# Altium PCB MB1801.PcbDoc (part 2 of 2)
Units mm, origin at the board's own origin, x right, y up, seen from the top; angles counter-clockwise.
Board outline 70.1 x 57.1 mm, 2 copper layers (Top Layer, Bottom Layer), stack 1.554 mm thick; 124 components, 115 nets, 557 pads, 485 vias.
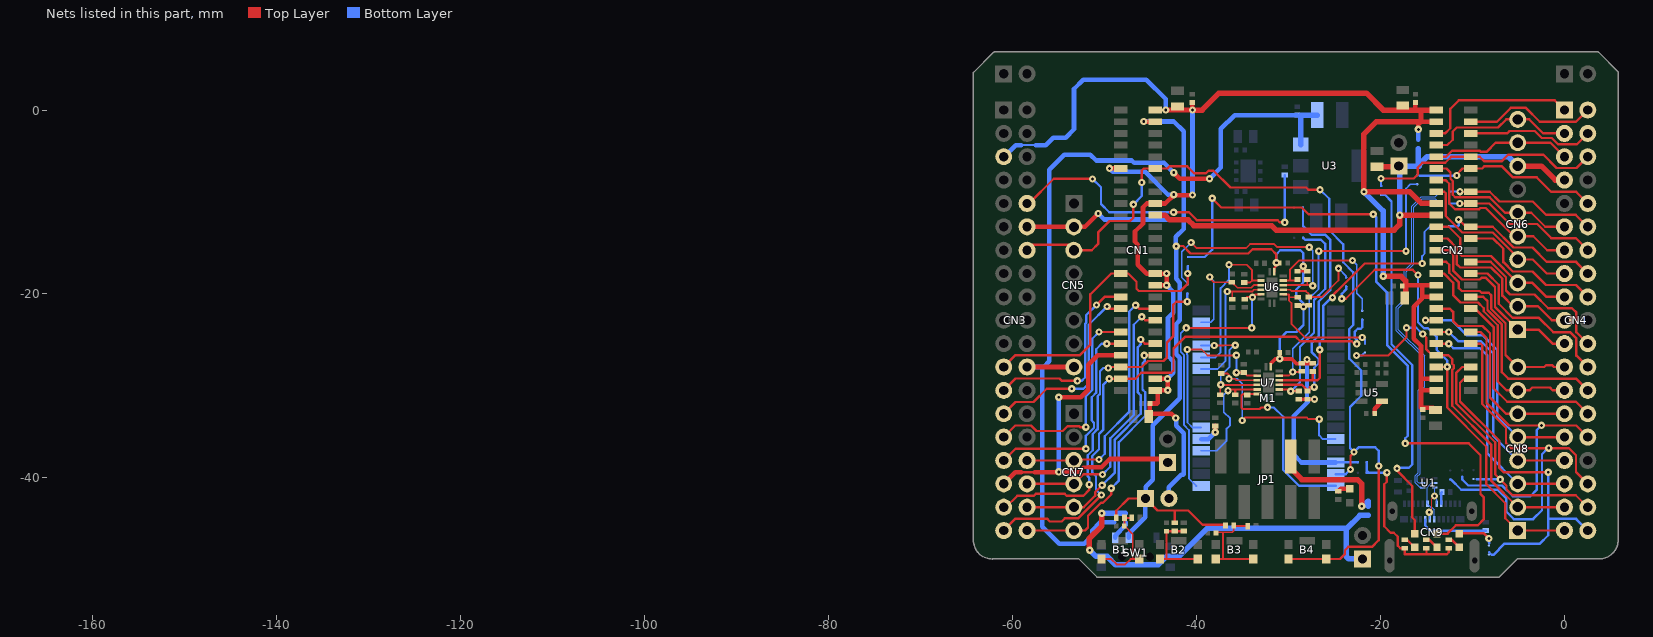
[diagram p2: the nets of this part, all layers, seen from the top]

## Via types
v1: diameter 0.8, hole 0.3, Top Layer to Bottom Layer, tented both sides, 485 vias

## Nets (pads, with @x,y where several pads share a name; then routed paths per layer and width w, separated by ;. In a path a pad name is that pad's centre, name@x,y a point inside that pad or via, vN(x,y) a via of type N, cw(c..) or ccw(c..) an arc to the next point about the centre after c; other vN are vias at no path point) (continued)
GPIO14: CN1.29 CN3.23 SB10.1 | length 31.1
  Top Layer w0.254: CN3.23@-60.96,-27.94 -59.67,-26.65 -52.68,-26.65 -51.537,-25.507 -51.537,-20.041 -49.276,-17.78 CN1.29@-48.225,-17.78 -47.422,-17.78 -46.533,-18.669 -46.533,-19.437 -46.285,-19.685 -41.732,-19.685 -40.97,-18.923 v1(-40.97,-17.78) v1@-40.97,-17.653
  Bottom Layer w0.254: v1(-40.97,-17.78) -40.97,-17.002 SB10.1@-40.931,-16.963
GPIO15/OSC32_IN: CN1.33 CN3.25 | length 21.1
  Top Layer w0.254: CN3.25@-60.96,-30.48 -59.665,-29.185 -54.89,-29.185 -54.625,-29.45 v1(-52.95,-29.45) ; v1(-50.88,-21.2) -50,-20.32 CN1.33@-48.225,-20.32
  Bottom Layer w0.254: v1(-52.95,-29.45) -52.49,-29.45 -52.104,-29.064 -52.104,-23.239 -52,-23.135 -52,-22.32 v1(-50.88,-21.2)
GPIO16/OSC32_OUT: CN1.35 CN3.27 | length 21.4
  Top Layer w0.254: CN3.27@-60.96,-33.02 -59.69,-31.75 -57.725,-31.75 -56.275,-30.3 v1(-53.575,-30.3) ; v1(-49.725,-21.361) -49.496,-21.59 CN1.35@-48.225,-21.59
  Bottom Layer w0.254: v1(-53.575,-30.3) -52.3,-30.3 -51.714,-29.714 -51.714,-23.35 v1(-49.725,-21.361)
GPIO17: CN1.36 CN3.32 CN7.3 | length 28.6
  Top Layer w0.254: CN3.32@-58.42,-38.1 CN7.3@-53.34,-38.1 -53.24,-38 v1(-50.6,-38) ; v1(-46.625,-21.225) -46.6,-21.225 -46.235,-21.59 CN1.36@-44.485,-21.59
  Bottom Layer w0.254: v1(-50.6,-38) -49.975,-37.375 -49.975,-35.475 -47.325,-32.825 -47.325,-21.925 v1(-46.625,-21.225)
GPIO18: CN1.38 CN3.34 CN7.4 | length 29.3
  Top Layer w0.254: CN3.34@-58.42,-40.64 CN7.4@-53.34,-40.64 -52.299,-39.599 -50.436,-39.599 -50.339,-39.501 -50.22,-39.383 v1@-50.183,-39.383 ; v1(-45.95,-22.475) -45.565,-22.86 CN1.38@-44.485,-22.86
  Bottom Layer w0.254: v1(-50.216,-39.624) -49.375,-38.783 -49.375,-35.7 -46.825,-33.15 -46.825,-23.35 v1(-45.95,-22.475)
GPIO19/OSC_IN: CN1.39 CN3.29 | length 23.3
  Top Layer w0.254: CN3.29@-60.96,-35.56 -59.7,-34.3 -57.981,-34.3 -57.382,-34.9 -54.534,-34.9 -54,-34.366 -52.759,-34.366 -52.65,-34.475 v1(-52.025,-34.475) ; v1(-50.605,-24.13) CN1.39@-48.225,-24.13
  Bottom Layer w0.254: v1(-52.025,-34.475) -52.025,-31.125 -51.333,-30.433 -51.333,-24.858 v1(-50.605,-24.13)
GPIO20/OSC_OUT: CN1.41 CN3.31 | length 23.9
  Top Layer w0.254: CN3.31@-60.96,-38.1 -59.685,-36.825 v1(-52.025,-36.825) ; v1(-49.75,-25.4) CN1.41@-48.225,-25.4
  Bottom Layer w0.254: v1(-52.025,-36.825) -52.025,-35.412 -51.148,-34.535 -51.148,-34.015 -51.4,-33.763 -51.4,-31.225 -50.902,-30.727 -50.902,-26.002 -50.3,-25.4 v1(-49.75,-25.4)
GPIO21: CN1.42 CN3.36 CN7.5 | length 29
  Top Layer w0.254: CN3.36@-58.42,-43.18 CN7.5@-53.34,-43.18 -52.273,-43.18 -51.029,-41.935 -51.029,-41.554 v1(-50.267,-40.792) ; v1(-46.075,-24.95) -45.625,-25.4 CN1.42@-44.485,-25.4
  Bottom Layer w0.254: v1(-50.267,-40.792) -48.875,-39.401 -48.875,-35.825 -46.075,-33.025 -46.075,-31.006 -46.375,-30.706 -46.375,-25.8 -46.075,-25.5 v1(-46.075,-24.95)
GPIO22: CN1.44 CN3.38 CN7.6 | length 29.7
  Top Layer w0.254: CN3.38@-58.42,-45.72 CN7.6@-53.34,-45.72 -52.121,-45.72 -51.791,-45.39 -51.791,-44.105 -50.383,-42.697 -50.165,-42.697 -49.276,-41.808 v1(-49.276,-41.123) ; v1(-45.675,-26.675) -45.68,-26.67 CN1.44@-44.485,-26.67
  Bottom Layer w0.254: v1(-49.276,-41.123) -48.438,-40.284 -48.438,-36.113 -45.575,-33.25 -45.575,-30.675 -45.875,-30.375 -45.875,-27.55 -45.625,-27.3 -45.625,-26.675 v1(-45.675,-26.675)
GPIO23: CN1.45 CN3.35 SB5.1 | length 40.6
  Top Layer w0.254: CN3.35@-60.96,-43.18 -60.73,-43.18 -59.5,-41.95 -57.706,-41.95 -57.488,-41.732 -54.337,-41.732 -54.119,-41.95 -52.325,-41.95 -51.675,-41.3 v1(-51.675,-40.725) ; v1(-49.6,-28.05) -49.575,-28.05 -49.465,-27.94 CN1.45@-48.225,-27.94 -45.949,-27.94 -45.288,-27.28 -43.586,-27.28 -43.205,-26.899 -43.205,-25.273 -42.545,-24.613 -42.545,-21.184 -42.215,-20.853 -41.275,-20.853 -40.996,-20.574 v1(-40.996,-20.828)
  Bottom Layer w0.254: v1(-51.675,-40.725) -51.675,-39.95 -51.825,-39.8 -51.825,-37.525 -51.283,-36.982 -51.283,-35.229 -50.75,-34.696 -50.75,-31.125 -50.495,-30.87 -50.495,-28.395 -50.15,-28.05 v1(-49.6,-28.05) ; v1(-40.996,-20.828) -40.996,-19.982 SB5.1@-40.979,-19.966
GPIO24: CN1.47 CN3.37 SB3.1 | length 60.1
  Top Layer w0.254: CN3.37@-60.96,-45.72 -59.665,-44.425 -56.261,-44.425 -55.956,-44.729 -54.661,-44.729 -54.331,-44.399 -52.883,-44.399 v1(-50.343,-41.859) ; v1@-49.525,-29.21 v1(-49.493,-29.21) CN1.47@-48.225,-29.21 -46.634,-29.21 -45.999,-28.575 -42.748,-28.575 -42.494,-28.321 -42.494,-25.933 -41.199,-24.638 -29.235,-24.638 -28.727,-25.146 -23.114,-25.146 -22.835,-25.425 v1(-22.581,-25.425)
  Bottom Layer w0.254: v1@-50.341,-41.859 v1(-50.343,-41.859) -50.343,-41.857 -50.925,-41.275 -50.925,-39.825 -51.35,-39.4 -51.35,-37.634 -50.595,-36.879 -50.595,-35.22 -50.125,-34.75 -50.125,-29.842 v1(-49.493,-29.21) ; v1(-22.581,-25.425) -22.581,-24.994 -22.784,-24.79 -22.784,-24.079 -22.479,-23.774 -22.149,-23.774 -21.98,-23.606 SB3.1@-21.98,-22.8
GPIO25: CN2.4 CN4.2 | length 14.5
  Top Layer w0.254: CN2.4@-10.195,-1.27 -7.341,-1.27 -5.842,0.229 -4.191,0.229 -2.687,-1.275 1.265,-1.275 CN4.2@2.54,0
GPIO26: CN2.5 CN4.1 | length 17.1
  Top Layer w0.254: CN2.5@-13.935,-2.54 -12.99,-2.54 -12.425,-1.975 -12.425,0.125 -11.5,1.05 -1.05,1.05 CN4.1@0,0
GPIO27: CN2.6 CN4.4 | length 13.9
  Top Layer w0.254: CN2.6@-10.195,-2.54 -6.223,-2.54 -5.958,-2.275 -3.237,-2.275 -2.462,-3.05 -1.375,-3.05 -0.7,-3.725 1.355,-3.725 CN4.4@2.54,-2.54
GPIO28: CN2.7 CN4.3 CN6.10 | length 16.2
  Top Layer w0.254: CN2.7@-13.935,-3.81 -12.735,-3.81 -12.15,-3.225 -12.15,-2.35 -11.7,-1.9 -7.209,-1.9 -6.325,-1.016 CN6.10@-5.08,-1.016 -3.835,-1.016 -2.311,-2.54 CN4.3@0,-2.54
GPIO29: CN2.9 CN4.5 CN6.9 | length 15.3
  Top Layer w0.254: CN2.9@-13.935,-5.08 -12.883,-5.08 -12.228,-4.425 -9.2,-4.425 -9.075,-4.55 -8.475,-4.55 -7.481,-3.556 CN6.9@-5.08,-3.556 -1.524,-3.556 CN4.5@0,-5.08
GPIO30: CN2.10 CN4.6 SB9.1 | length 26.3
  Top Layer w0.254: v1(-19.939,-7.442) -16.383,-7.442 -15.951,-7.01 -15.951,-6.248 -15.443,-5.74 -12.954,-5.74 -12.294,-5.08 CN2.10@-10.195,-5.08 -9.198,-5.08 -8.69,-5.588 -6.858,-5.588 -6.12,-4.85 -2.3,-4.85 -0.85,-6.3 1.32,-6.3 CN4.6@2.54,-5.08
  Bottom Layer w0.254: v1(-19.939,-7.442) -19.939,-8.255 SB9.1@-19.932,-8.262
GPIO31: CN2.11 CN4.11 CN6.6 | length 17.8
  Top Layer w0.254: CN2.11@-13.935,-6.35 -12.839,-6.35 -12.382,-6.807 -12.382,-7.481 -12.142,-7.721 -12.142,-9.219 -11.861,-9.5 -8.128,-9.5 -6.452,-11.176 CN6.6@-5.08,-11.176 -3.607,-11.176 -2.083,-12.7 CN4.11@0,-12.7
GPIO32: CN2.12 CN4.10 SB12.1 | length 20.5
  Top Layer w0.254: v1(-11.709,-7.112) -11.709,-6.985 -11.074,-6.35 CN2.12@-10.195,-6.35 -8.944,-6.35 -8.69,-6.096 -6.833,-6.096 -5.604,-7.325 -3,-7.325 -1.425,-8.9 1.28,-8.9 CN4.10@2.54,-10.16
  Bottom Layer w0.254: -15.748,-7.163 -11.76,-7.163 v1(-11.709,-7.112)
GPIO33: CN2.13 CN4.13 CN6.5 | length 18.5
  Top Layer w0.254: CN2.13@-13.935,-7.62 -12.929,-7.62 -12.522,-8.026 -12.522,-10.16 -11.882,-10.8 -9.3,-10.8 -9.15,-10.65 -8.55,-10.65 -5.484,-13.716 CN6.5@-5.08,-13.716 -3.384,-13.716 -1.86,-15.24 CN4.13@0,-15.24
GPIO34: CN2.15 CN4.15 CN6.4 | length 19.2
  Top Layer w0.254: CN2.15@-13.935,-8.89 -13.06,-8.89 -12.903,-9.047 -12.903,-11.522 -11.1,-13.325 -7.8,-13.325 -5.08,-16.045 CN6.4@-5.08,-16.256 -3.444,-16.256 -1.92,-17.78 CN4.15@0,-17.78
GPIO35: CN2.16 CN4.12 SB16.1 | length 16.6
  Top Layer w0.2: v1@-11.354,-8.873 -11.354,-8.89 CN2.16@-10.195,-8.89
  Top Layer w0.254: CN2.16@-10.195,-8.89 -8.128,-8.89 -7.068,-9.95 -3.436,-9.95 -1.986,-11.4 1.24,-11.4 CN4.12@2.54,-12.7
  Bottom Layer w0.2: SB16.1@-12.51,-8.87 v1(-11.354,-8.87)
GPIO36: CN2.18 CN4.14 SB14.1 | length 17.1
  Top Layer w0.254: v1(-11.379,-10.16) CN2.18@-10.195,-10.16 -8.18,-10.16 -5.94,-12.4 -2.967,-12.4 -1.442,-13.925 1.225,-13.925 CN4.14@2.54,-15.24
  Bottom Layer w0.254: SB14.1@-12.453,-10.16 v1(-11.379,-10.16)
GPIO37: CN2.21 CN4.17 CN6.3 | length 18.1
  Top Layer w0.254: CN2.21@-13.935,-12.7 -12.575,-12.7 -11.325,-13.95 -11.325,-15.7 -11.15,-15.875 -8,-15.875 -5.08,-18.795 -3.479,-18.796 -1.955,-20.32 CN4.17@0,-20.32
GPIO38: CN2.22 CN4.16 SB13.1 | length 18.2
  Top Layer w0.254: v1(-11.506,-11.913) -10.719,-12.7 CN2.22@-10.195,-12.7 -7.8,-12.7 -5.55,-14.95 -3.475,-14.95 -1.915,-16.51 1.27,-16.51 CN4.16@2.54,-17.78
  Bottom Layer w0.254: SB13.1@-12.555,-12.624 -11.608,-12.624 -11.506,-12.522 v1(-11.506,-11.913)
GPIO39: CN2.23 CN4.19 CN6.2 | length 19.7
  Top Layer w0.254: CN2.23@-13.935,-13.97 -12.73,-13.97 -11.725,-14.975 -11.725,-16.725 -11.325,-17.125 -7.975,-17.125 -6.75,-18.35 -6.75,-20.175 -5.589,-21.336 CN6.2@-5.08,-21.336 -2.889,-21.336 -1.365,-22.86 CN4.19@0,-22.86
GPIO40: CN2.24 CN4.18 | length 16.2
  Top Layer w0.254: CN2.24@-10.195,-13.97 -7.755,-13.97 -6.64,-15.085 -6.64,-16.535 -5.625,-17.55 -3.475,-17.55 -2,-19.025 1.245,-19.025 CN4.18@2.54,-20.32
GPIO41: CN2.25 CN4.21 CN6.1 | length 20.6
  Top Layer w0.254: CN2.25@-13.935,-15.24 -12.56,-15.24 -12.1,-15.7 -12.1,-17.45 -11.125,-18.425 -9.206,-18.425 -9.204,-18.423 -9.198,-18.423 -9.025,-18.25 -8.53,-18.25 -7.55,-19.23 -7.55,-21.406 CN6.1@-5.08,-23.876 -2.824,-23.876 -1.3,-25.4 CN4.21@0,-25.4
GPIO42: CN2.27 CN4.23 CN8.8 | length 22.6
  Top Layer w0.254: CN2.27@-13.935,-16.51 -12.84,-16.51 -12.525,-16.825 -12.525,-17.7 -11.475,-18.75 -11.475,-19.375 -11.175,-19.675 -9.206,-19.675 -9.018,-19.863 -8.237,-19.863 -7.975,-20.125 -7.975,-21.6 -6.4,-23.175 -6.4,-26.62 CN8.8@-5.08,-27.94 -2.184,-27.94 -1.981,-27.737 -1.346,-27.737 -1.143,-27.94 CN4.23@0,-27.94
GPIO43: CN2.28 CN4.22 | length 18.5
  Top Layer w0.254: CN2.28@-10.195,-16.51 -8.015,-16.51 -6.345,-18.18 -6.345,-19.63 -5.925,-20.05 -3.25,-20.05 -1.75,-21.55 0.825,-21.55 1.3,-22.025 1.3,-24.16 CN4.22@2.54,-25.4
GPIO44: CN2.29 CN4.25 CN8.7 | length 24
  Top Layer w0.254: CN2.29@-13.935,-17.78 -13.095,-17.78 -12.1,-18.775 -12.1,-20.117 -11.292,-20.925 -9.394,-20.925 -8.775,-21.544 -8.775,-21.88 -7.25,-23.405 -7.25,-29.5 -6.27,-30.48 CN8.7@-5.08,-30.48 -3.81,-30.48 -3.505,-30.175 -1.575,-30.175 -1.27,-30.48 CN4.25@0,-30.48
GPIO45: CN2.30 CN4.24 | length 19.2
  Top Layer w0.254: CN2.30@-10.195,-17.78 -8.37,-17.78 -7.15,-19 -7.15,-21.064 -5.614,-22.6 -2.775,-22.6 -1.225,-24.15 0.6,-24.15 1.3,-24.85 1.3,-26.7 CN4.24@2.54,-27.94
GPIO46: CN2.34 CN4.26 | length 20.5
  Top Layer w0.254: CN2.34@-10.195,-20.32 -8.83,-20.32 -8.37,-20.78 -8.37,-21.74 -6.8,-23.31 -6.8,-28.5 -6.1,-29.2 1.26,-29.2 CN4.26@2.54,-30.48
GPIO47: CN2.35 CN4.27 CN8.6 | length 23.3
  Top Layer w0.254: CN2.35@-13.935,-21.59 -12.46,-21.59 -12.1,-21.95 -12.1,-22.95 -11.575,-23.475 -8.9,-23.475 -8.1,-24.275 -8.1,-31.265 -6.345,-33.02 CN8.6@-5.08,-33.02 CN4.27@0,-33.02
GPIO48: CN2.36 CN4.28 | length 21.4
  Top Layer w0.254: CN2.36@-10.195,-21.59 -9.71,-21.59 -7.7,-23.6 -7.7,-30.25 -6.225,-31.725 1.245,-31.725 CN4.28@2.54,-33.02
GPIO49: CN2.37 CN4.29 CN8.5 | length 25.8
  Top Layer w0.254: v1(-15.1,-22.85) -15.09,-22.86 CN2.37@-13.935,-22.86 ; CN8.5@-5.08,-35.56 CN4.29@0,-35.56
  Bottom Layer w0.254: v1(-15.1,-22.85) -12.275,-22.85 -10.65,-24.475 -8.9,-24.475 -7.3,-26.075 -7.3,-33.34 CN8.5@-5.08,-35.56
GPIO50: CN2.39 CN4.31 CN8.4 | length 25
  Top Layer w0.254: CN2.39@-13.935,-24.13 v1(-12.57,-24.13) v1@-12.53,-24.13 ; CN8.4@-5.08,-38.1 CN4.31@0,-38.1
  Bottom Layer w0.254: v1(-12.57,-24.13) -11.575,-25.125 -9.1,-25.125 -7.75,-26.475 -7.75,-35.43 CN8.4@-5.08,-38.1
GPIO51: CN2.40 CN4.30 SB4.1 | length 38.3
  Top Layer w0.254: CN2.40@-10.195,-24.13 -9.125,-24.13 -8.475,-24.78 -8.475,-31.85 -6.025,-34.3 1.28,-34.3 CN4.30@2.54,-35.56
  Bottom Layer w0.254: -11.123,-39.853 SB4.1@-11.123,-40.147 -10.453,-40.818 -6.782,-40.818 -5.613,-41.986 -3.708,-41.986 -3.023,-41.3 -3.023,-34.823 v1(-2.489,-34.29)
GPIO52: CN2.41 CN4.33 CN8.3 | length 26.9
  Top Layer w0.254: CN2.41@-14.275,-25.4 CN2.41@-13.935,-25.4 v1(-12.575,-25.4) v1@-12.5,-25.4 ; CN8.3@-5.08,-40.64 CN4.33@0,-40.64
  Bottom Layer w0.254: v1(-12.575,-25.4) -12.075,-25.9 -9.175,-25.9 -8.375,-26.7 -8.375,-37.345 CN8.3@-5.08,-40.64
GPIO53: CN2.42 CN4.34 SB6.1 | length 44.9
  Top Layer w0.254: CN2.42@-10.195,-25.4 -9.105,-25.4 -8.925,-25.58 -8.925,-31.969 -6.35,-34.544 -6.35,-36.195 -5.77,-36.775 0.5,-36.775 1.25,-37.525 1.25,-39.35 CN4.34@2.54,-40.64
  Bottom Layer w0.254: SB6.1@-12.416,-40.168 -12.333,-40.168 -11.227,-41.275 -7.264,-41.275 -6.312,-42.228 -6.312,-43.675 -5.512,-44.475 -3.404,-44.475 -2.438,-43.51 -2.438,-37.414 -1.778,-36.754 v1(-1.702,-36.754)
GPIO54: CN2.43 CN4.35 CN8.2 SB8.1 | length 39.6
  Top Layer w0.254: v1(-22.606,-26.695) -19.152,-26.695 -17.17,-24.714 v1(-17.17,-23.665) ; v1(-15.418,-24.359) -15.011,-24.765 -15.011,-26.035 -14.376,-26.67 CN2.43@-13.935,-26.67 -12.598,-26.67 -12.2,-27.068 -12.2,-27.579 -12.038,-27.741 -12.038,-28.088 -12.2,-28.251 -12.2,-32.15 -7.975,-36.375 -7.975,-40.285 CN8.2@-5.08,-43.18 CN4.35@0,-43.18
  Bottom Layer w0.254: v1(-22.606,-26.695) -22.047,-26.695 -21.844,-26.492 ; v1(-17.17,-23.665) -16.112,-23.665 v1(-15.418,-24.359)
GPIO55: CN2.45 CN4.37 CN8.1 SB7.1 | length 49.8
  Top Layer w0.254: v1(-24.206,-20.523) -23.774,-20.523 -20.625,-17.374 -16.51,-17.374 -15.951,-17.932 v1(-15.926,-17.932) ; CN2.45@-13.935,-27.94 v1@-13.06,-27.94 ; v1(-12.751,-27.915) -12.751,-32.349 -8.5,-36.6 -8.5,-40.674 -6.425,-42.749 -6.425,-44.375 CN8.1@-5.08,-45.72 CN4.37@0,-45.72
  Bottom Layer w0.254: v1(-24.206,-20.523) -24.206,-19.99 -23.733,-19.516 SB7.1@-23.733,-19.179 ; v1(-15.926,-17.932) -15.926,-23.063 -15.265,-23.724 -14.834,-23.724 -13.892,-24.665 -13.892,-26.087 -12.751,-27.229 v1(-12.751,-27.915)
GPIO56: CN2.46 CN4.36 SB2.1 | length 29
  Top Layer w0.254: CN2.46@-10.195,-27.94 -11.115,-27.94 -11.775,-28.6 -11.775,-31.875 -7.525,-36.125 -7.525,-39.617 v1(-6.985,-40.157) -6.3,-40.842 -6.3,-41.225 -5.65,-41.875 1.235,-41.875 CN4.36@2.54,-43.18
  Bottom Layer w0.254: -9.557,-40.157 v1(-6.985,-40.157)
GPIO57: CN2.48 CN4.38 SB11.1 | length 37
  Top Layer w0.254: CN2.48@-10.195,-29.21 -10.91,-29.21 -11.35,-29.65 -11.35,-31.675 -7.088,-35.937 -7.088,-38.912 -6.624,-39.375 v1(-1.75,-39.375)
  Bottom Layer w0.254: -8.186,-48.09 -7.913,-48.363 -7.723,-48.363 -6.502,-47.142 -2.667,-47.142 -1.75,-46.225 -1.75,-44.45 ; v1(-1.75,-39.375) -1.75,-44.45 ; CN4.38@2.54,-45.72 1.27,-44.45 -1.75,-44.45
JTCLK/SWCLK: R29.1 SB15.2 U7.12 | length 27.4
  Top Layer w0.254: U7.12@-30.99,-29.88 -28.54,-29.88 R29.1@-27.991,-30.429 ; R29.1@-27.71,-30.542 -27.71,-30.124 -27.432,-30.124 -27.203,-29.896 v1(-27.203,-30.124)
  Bottom Layer w0.254: SB15.2@-28.431,-10.608 -28.431,-12.616 -27.47,-13.576 -25.971,-13.576 -25.476,-14.072 -25.476,-19.583 -26.721,-20.828 -26.721,-24.536 -27.457,-25.273 -27.457,-26.365 -26.721,-27.102 -26.721,-27.534 -27.203,-28.016 v1(-27.203,-30.124)
JTDI: R28.1 SB13.2 U7.13 | length 31.8
  Top Layer w0.254: U7.13@-30.99,-29.38 -27.374,-29.38 ; R28.1@-27.374,-28.426 -27.374,-29.38 ; v1@-26.594,-26.035 v1(-26.594,-26.06) -26.594,-29.134 -26.84,-29.38 -27.374,-29.38 ; v1(-25.209,-20.396) -25.209,-20.18 -24.105,-19.075 -21.717,-16.688 v1(-15.469,-16.688)
  Bottom Layer w0.2: v1(-15.469,-16.688) -15.469,-15.875 -15.215,-15.621 -15.215,-13.233 -14.605,-12.624 SB13.2@-13.53,-12.624
  Bottom Layer w0.254: v1(-26.594,-26.06) -26.594,-25.248 -26.238,-24.892 -26.238,-21.311 -25.324,-20.396 v1(-25.209,-20.396)
JTDO/SWO: R27.1 SB12.2 U7.14 | length 34.3
  Top Layer w0.2: U7.14@-30.99,-28.88 -29.943,-28.88 v1(-29.539,-28.476) R27.1@-28.855,-28.476 ; v1(-26.721,-15.342) v1(-17.221,-15.342)
  Bottom Layer w0.2: v1(-29.539,-28.476) -29.539,-25.946 -27.737,-24.143 -27.737,-20.472 -26.721,-19.456 v1(-26.721,-15.342) ; v1(-17.221,-15.342) -17.221,-8.533 -16.757,-8.069 SB12.2@-16.002,-8.069
JTMS/SWDIO: R30.1 SB17.2 U7.11 | length 22.4
  Top Layer w0.254: U7.11@-30.99,-30.38 -29.906,-30.38 -29.744,-30.542 R30.1@-28.889,-30.542
  Bottom Layer w0.254: v1(-29.743,-30.582) -28.753,-29.591 -28.753,-25.735 -27.232,-24.215 -27.232,-20.653 -26.01,-19.431 -26.01,-14.554 -26.467,-14.097 -28.215,-14.097 SB17.2@-28.411,-13.901
LD1: LD1.2 SB9.2 | length 40.9
  Top Layer w0.254: v1(-18.212,-38.964) -18.212,-39.192 -16.535,-40.869 -16.535,-44.298 -16.266,-44.567 LD1.2@-16.266,-46.05
  Bottom Layer w0.254: SB9.2@-19.932,-9.237 -19.49,-9.237 -18.796,-9.931 -18.796,-25.476 -16.535,-27.737 -16.535,-38.532 -16.891,-38.887 -18.288,-38.887 v1(-18.212,-38.964)
LD2: LD2.2 SB10.2 | length 74.9
  Top Layer w0.254: v1(-38.303,-9.601) -37.313,-10.592 -28.55,-10.592 -27.813,-11.328 v1(-20.777,-11.328) ; v1@-20.752,-11.328 v1@-20.726,-11.354 ; v1(-17.297,-36.246) -10.414,-36.246 -9.119,-37.541 -9.119,-41.758 -8.788,-42.088 -8.788,-44.526 -9.423,-45.161 -11.811,-45.161 -12.7,-46.05 LD2.2@-13.852,-46.05
  Bottom Layer w0.254: SB10.2@-40.931,-15.988 -39.102,-15.988 -38.303,-15.189 v1(-38.303,-9.601) ; v1(-20.777,-11.328) -20.447,-11.659 -20.447,-18.694 -19.253,-19.888 -19.253,-25.591 -17.018,-27.826 -17.018,-35.408 -17.297,-35.687 v1(-17.297,-36.246)
LD3: LD3.2 SB11.2 | length 4
  Top Layer w0.254: LD3.2@-11.424,-46.05 -11.373,-45.999 -8.795,-45.999 v1(-8.211,-46.584)
  Bottom Layer w0.254: v1(-8.211,-46.584) -8.211,-46.946 -8.186,-46.972 -8.186,-47.115
NetB1_2: B1.2 B1.4 C12.2 R2.1 R4.1 | length 10.3
  Top Layer w0.2: B1.4@-50.24,-48.822 -49.273,-48.822 -48.692,-49.403 -47.752,-49.403 -47.171,-48.822 -46.965,-48.822 ; R4.1@-46.99,-44.349 -47.821,-44.349 R2.1@-47.828,-44.343 -47.828,-45.221 -46.939,-46.11 -46.939,-48.797 -46.965,-48.822 ; B1.2@-46.14,-48.822 -46.965,-48.822
NetB2_2: B2.2 B2.4 C13.2 R3.1 R5.1 | length 9
  Top Layer w0.2: B2.4@-44.08,-48.822 -43.259,-48.822 B2.2@-39.98,-48.822
  Top Layer w0.254: C13.2@-43.317,-45.831 C13.2@-43.272,-45.786 R5.1@-41.408,-45.786 ; -43.259,-48.822 C13.2@-43.259,-45.831
NetB3_2: B3.2 B3.4 C14.2 R9.1 R10.1 | length 11.2
  Top Layer w0.2: B3.4@-37.921,-48.822 -37.16,-48.822 ; C14.2@-37.889,-45.984 -37.807,-45.902 -37.135,-45.902 ; R10.1@-34.439,-45.232 -35.889,-45.232 R9.1@-35.948,-45.173 -35.948,-45.753 -36.098,-45.902 -37.135,-45.902 ; B3.2@-33.821,-48.822 -37.16,-48.822 ; -37.16,-48.822 -37.135,-48.797 -37.135,-45.902
NetC27_2: C27.2 U5.4 | length 1.6
  Top Layer w0.5: C27.2@-20.632,-32.995 -20.632,-32.472 U5.4@-19.848,-31.688
NetCN3_10: CN3.10 R1.1 | length 37.8
  Top Layer w0.254: CN3.10@-58.42,-10.16 -58.211,-10.16 -55.519,-7.468 -51.283,-7.468 v1(-51.308,-7.493) ; v1@-42.875,-11.125 v1(-42.494,-11.125) ; v1@-42.52,-11.1 v1(-42.494,-11.125) ; v1(-30.397,-12.217) -30.937,-12.217 -31.166,-11.989 -39.964,-11.989 -40.828,-11.125 v1(-42.494,-11.125)
  Bottom Layer w0.254: v1(-51.308,-7.493) -50.394,-8.407 -50.394,-10.228 -49.496,-11.125 v1(-42.494,-11.125) ; v1(-30.397,-12.217) R1.1@-30.397,-7.073
NetCN9_A5: CN9.A5 R11.2 | length 1.3
  Bottom Layer w0.254: CN9.A5@-13.392,-42.818 -13.392,-41.607 R11.2@-13.315,-41.53
NetCN9_B5: CN9.B5 R12.2 | length 7.5
  Bottom Layer w0.254: CN9.B5@-15.142,-44.518 -15.142,-45.158 -14.55,-45.75 R12.2@-8.525,-45.75
NetJP1_8: JP1.8 SB21.2 | length 13.7
  Top Layer w0.6: JP1.8@-29.748,-37.671 -29.748,-38.984 -28.55,-40.183 -22.479,-40.183 -22.048,-40.614 v1(-22.048,-43.078)
  Bottom Layer w0.6: v1(-22.048,-43.078) -21.9,-43.078 -21.339,-42.517 SB21.2@-21.339,-43.085
NetLD1_1: LD1.1 R6.2 | length 1.4
  Top Layer w0.254: R6.2@-17.374,-46.735 -17.081,-46.735 LD1.1@-16.266,-47.55
NetLD2_1: LD2.1 R7.2 | length 1.5
  Top Layer w0.254: R7.2@-15.006,-46.734 -14.668,-46.734 LD2.1@-13.852,-47.55
NetLD3_1: LD3.1 R8.2 | length 1.5
  Top Layer w0.254: R8.2@-12.577,-46.735 -12.239,-46.735 LD3.1@-11.424,-47.55
NetLD4_1: LD4.1 R13.1 | length 1.4
  Top Layer w0.5: R13.1@-24.6,-41.452 -24.329,-41.181 LD4.1@-23.355,-41.181
NetM1_5: M1.5 R14.2 | length 2.5
  Top Layer w0.5: v1@-37.978,-35.022 R14.2@-37.978,-34.357
  Bottom Layer w0.5: M1.5@-39.498,-35.779 -38.726,-35.779 v1(-37.973,-35.027)
NetR6_1: R6.1 R7.1 R8.1 SB18.1 SB19.1 | length 20.1
  Top Layer w0.254: v1(-19.304,-39.421) -19.304,-40.411 -19.583,-40.691 -19.583,-45.263 -18.898,-45.949 -18.554,-45.949 -18.11,-46.392 -18.11,-47.371 -17.847,-47.635 R6.1@-17.374,-47.635 -17.374,-48.26 -17.323,-48.311 -14.935,-48.311 ; R7.1@-15.006,-47.634 -15.006,-48.24 -14.935,-48.311 ; R8.1@-12.577,-47.635 -12.577,-48.086 -12.802,-48.311 -14.935,-48.311
  Bottom Layer w0.254: SB18.1@-21.48,-38.278 SB19.1@-21.48,-39.446 ; -21.353,-39.319 SB19.1@-21.48,-39.446 ; v1@-19.304,-39.557 v1(-19.304,-39.421) -19.329,-39.446 SB19.1@-21.48,-39.446
NetSB22_2: SB22.2 SW1.3 | length 2.2
  Bottom Layer w0.5: SW1.3@-48.85,-46.509 -48.85,-46.284 -47.724,-45.158 SB22.2@-47.724,-44.815
NRST: B4.2 B4.4 CN1.12 CN3.14 CN5.3 M1.31 | length 99.4
  Top Layer w0.254: CN3.14@-58.42,-15.24 -57.81,-14.63 -53.95,-14.63 CN5.3@-53.34,-15.24 -51.384,-15.24 -50.698,-14.554 -50.698,-13.31 -49.464,-12.075 -47.226,-12.075 -46.863,-11.712 v1(-46.863,-10.262) ; v1(-45.95,-7.874) -45.95,-6.58 -45.72,-6.35 CN1.12@-44.485,-6.35 -43.155,-6.35 -42.926,-6.121 -41.021,-6.121 -40.259,-6.883 -38.964,-6.883 -38.684,-6.604 -38.151,-6.604 -36.322,-8.433 -28.067,-8.433 -27.838,-8.661 v1(-26.568,-8.661) ; B4.4@-29.996,-48.822 B4.2@-25.896,-48.822 -24.413,-48.822 -23.851,-48.26 -23.851,-47.854 -23.495,-47.498 -20.93,-47.498 -20.193,-46.761 v1@-20.193,-38.829 ; v1(-23.266,-39.091) -23.266,-37.617 -22.885,-37.236 v1(-22.885,-37.186)
  Bottom Layer w0.254: v1(-46.863,-10.262) -45.949,-9.347 -45.95,-9.346 v1(-45.95,-7.874) ; v1(-26.568,-8.661) -25.578,-9.652 -25.578,-13.081 -24.054,-14.605 -24.054,-16.561 -22.962,-17.653 -22.962,-23.368 -23.393,-23.8 -23.393,-27.026 -22.098,-28.321 -22.098,-31.064 -23.317,-32.283 -23.317,-36.754 v1(-22.885,-37.186) -22.377,-36.678 -20.574,-36.678 -20.193,-37.059 v1(-20.193,-38.71) ; M1.31@-24.858,-39.589 -23.79,-39.589 -23.292,-39.091 v1(-23.266,-39.091)
STLK_JCLK: M1.13 R25.1 U7.5 | length 14.1
  Top Layer w0.2: v1(-38.075,-25.603) -37.071,-25.603 -37.039,-25.572 v1(-35.784,-25.572) ; R25.1@-37.417,-30.942 v1@-37.417,-29.924 ; v1@-37.414,-29.88 U7.5@-33.39,-29.88
  Bottom Layer w0.2: M1.13@-39.498,-25.619 -38.091,-25.619 v1(-38.075,-25.603) ; v1(-37.363,-29.87) -37.363,-28.88 -36.398,-27.915 -36.398,-26.06 -35.954,-25.616 -35.784,-25.786 v1(-35.784,-25.572)
STLK_JTDI: M1.28 R24.1 U7.4 | length 22.5
  Top Layer w0.2: R24.1@-37.329,-28.651 -36.627,-28.651 -36.474,-28.804 v1(-36.474,-29.21) -35.865,-29.21 -35.695,-29.38 U7.4@-33.39,-29.38 ; v1(-35.027,-33.757) -34.684,-33.414 -28.029,-33.414 -27.838,-33.604 v1(-26.67,-33.604)
  Bottom Layer w0.2: v1(-36.474,-29.21) -35.56,-29.21 -35.027,-29.743 v1(-35.027,-33.757) ; v1(-26.67,-33.604) -26.67,-35.382 -26.273,-35.779 M1.28@-24.858,-35.779
STLK_JTDO: M1.6 R23.1 U7.3 | length 19.6
  Top Layer w0.2: v1(-41.021,-26.035) -39.446,-26.035 -38.808,-26.673 v1(-35.664,-26.673) ; v1(-35.664,-28.547) -35.66,-28.542 R23.1@-34.846,-28.542 -34.508,-28.88 U7.3@-33.39,-28.88
  Bottom Layer w0.2: v1(-41.021,-26.035) -41.021,-26.594 -40.98,-26.635 -40.98,-33.976 -40.446,-34.509 M1.6@-39.498,-34.509 ; v1(-35.664,-28.547) v1(-35.664,-26.673)
STLK_JTMS: M1.4 R26.1 U7.6 | length 13.8
  Top Layer w0.254: v1(-36.576,-30.505) -36.461,-30.391 -35.776,-30.391 -35.784,-30.399 -35.784,-30.776 R26.1@-35.584,-30.976 ; -35.584,-30.391 -35.954,-30.38 U7.6@-33.39,-30.38
  Bottom Layer w0.2: M1.4@-39.498,-37.049 -37.811,-37.049 -36.728,-35.966 -36.728,-34.639 -36.347,-34.258 -36.347,-33.528 -37.033,-32.842 -37.033,-30.963 v1(-36.576,-30.505)
STLK_SW_DIR: M1.32 R31.1 U7.7 | length 20.4
  Top Layer w0.254: U7.7@-33.39,-30.88 -34.929,-30.88 -35.103,-31.053 -35.103,-32.36 -34.95,-32.512 -33.147,-32.512 -32.969,-32.334 v1(-32.283,-32.334)
  Bottom Layer w0.254: v1(-32.283,-32.334) -31.598,-32.334 -30.582,-33.351 -30.582,-39.141 -28.864,-40.859 M1.32@-24.858,-40.859
STLK_VCP2_RX: M1.1 R18.1 U6.6 | length 30.7
  Top Layer w0.2: v1(-41.123,-23.69) v1(-33.985,-23.69) ; R18.1@-34.76,-20.559 -34.546,-20.345 v1(-33.909,-20.345) -33.605,-20.041 U6.6@-32.99,-20.041
  Bottom Layer w0.2: v1(-41.123,-23.69) -41.708,-24.276 -41.708,-26.288 -41.351,-26.645 -41.351,-34.265 -40.818,-34.798 -40.818,-40.081 -40.04,-40.859 M1.1@-39.98,-40.859 ; v1(-33.985,-23.69) -33.985,-20.422 v1(-33.909,-20.345)
STLK_VCP2_TX: M1.11 R17.1 U6.5 | length 15.3
  Top Layer w0.2: v1(-36.652,-19.736) -36.122,-19.736 ; R17.1@-36.122,-20.574 -36.122,-19.736 ; U6.5@-32.99,-19.541 -33.765,-19.541 -33.96,-19.736 -36.122,-19.736
  Bottom Layer w0.2: M1.11@-39.498,-28.159 -37.71,-28.159 -36.855,-27.305 -36.855,-19.939 v1(-36.652,-19.736) v1@-36.576,-19.66
T_VCP1_RX: M1.15 R16.1 U6.4 | length 12.5
  Top Layer w0.2: v1(-38.557,-18.161) -38.557,-18.285 -38.124,-18.718 R16.1@-36.158,-18.718 -35.547,-19.329 -34.061,-19.329 -33.773,-19.041 U6.4@-32.99,-19.041
  Bottom Layer w0.2: M1.15@-39.498,-23.079 -38.446,-23.079 -38.125,-22.758 -38.125,-18.593 v1(-38.557,-18.161)
T_VCP1_TX: M1.12 R15.1 U6.3 | length 18
  Top Layer w0.2: v1(-36.474,-16.815) -34.544,-16.815 -33.96,-17.399 -33.96,-18.541 ; R15.1@-34.796,-18.743 -34.162,-18.743 -33.96,-18.541 ; U6.3@-32.99,-18.541 -33.96,-18.541
  Bottom Layer w0.2: M1.12@-39.498,-26.889 -37.938,-26.889 -37.389,-26.34 -37.389,-19.355 -36.474,-18.44 v1(-36.474,-16.815)
USB_C_N: CN9.A7 CN9.B7 U1.5 | length 4.9
  Bottom Layer w0.12: CN9.B7@-14.142,-44.518 -14.142,-43.481 -14.444,-43.179 -14.532,-43.179 -14.892,-42.818 -14.892,-41.017 -14.425,-40.55 U1.5@-14.091,-40.55
USB_C_P: CN9.A6 CN9.B6 U1.6 | length 4.8
  Top Layer w0.12: v1@-14.707,-43.708 v1(-14.707,-43.739) -14.427,-43.459 -14.427,-42.266 v1(-14.122,-41.961) v1@-14.072,-41.91
  Bottom Layer w0.12: v1@-14.702,-43.743 -14.63,-43.815 -14.63,-44.506 CN9.B6@-14.642,-44.518 ; U1.6@-14.091,-41.05 -14.091,-41.929 v1(-14.122,-41.961) -14.122,-42.088 -13.892,-42.318 CN9.A6@-13.892,-42.818
USB_N: SB14.2 U1.2 | length 36.2
  Bottom Layer w0.12: U1.2@-15.391,-40.55 -15.838,-40.55 -15.977,-40.411 -15.977,-39.836 -15.693,-39.552 -15.693,-30.56 -15.196,-30.064 -15.196,-26.739 -18.055,-23.88 -18.055,-21.543 -17.196,-20.684 -17.196,-17.585 -16.358,-16.747 -16.358,-10.55 -15.469,-9.661 -14.029,-9.661 SB14.2@-13.479,-10.211
USB_P: SB16.2 U1.1 | length 37
  Bottom Layer w0.12: U1.1@-15.391,-41.05 -15.651,-41.05 -16.198,-40.503 -16.198,-39.744 -15.915,-39.46 -15.915,-30.469 -15.85,-30.404 -15.418,-29.972 -15.418,-26.831 -18.212,-24.037 -18.277,-23.972 -18.277,-21.452 -18.212,-21.387 -17.417,-20.592 -17.417,-17.494 -16.579,-16.655 -16.579,-10.458 -15.56,-9.44 -14.054,-9.44 SB16.2@-13.504,-8.89
V_TARGET: C29.2 C31.2 CN1.4 CN3.12 CN5.2 JP2.1 M1.30 R2.2 R3.2 R9.2 R19.2 R20.2 R21.2 R22.2 R27.2 R28.2 R29.2 R30.2 SB18.2 SW1.2 U6.16 U7.16 | length 145.9
  Top Layer w0.254: R2.2@-48.728,-44.343 -48.728,-43.571 -47.393,-42.237 JP2.1@-45.541,-42.237 -44.242,-43.536 -40.894,-43.536 -39.347,-45.083 -36.939,-45.083 R9.2@-36.848,-45.173 ; v1(-45.745,-1.245) v1@-45.72,-1.27 ; R3.2@-42.365,-44.871 -42.365,-43.61 ; v1(-42.215,-14.808) -42.189,-14.783 -41.453,-14.783 -40.64,-15.596 -34.366,-15.596 -33.909,-15.138 -31.877,-15.138 -31.318,-15.697 v1(-31.318,-16.612) ; U6.16@-31.54,-17.591 -31.54,-17.18 C29.2@-30.99,-16.63 ; R19.2@-29.021,-17.527 R20.2@-27.969,-17.528 ; -28.524,-17.501 -28.397,-17.374 v1(-28.397,-16.993)
  Top Layer w0.4: -31.864,-27.497 -31.439,-27.072 -29.639,-27.072 -29.11,-27.601 R28.2@-27.374,-27.601 ; v1(-30.96,-27.051) C31.2@-30.96,-26.362 ; R30.2@-28.889,-31.442 v1@-27.178,-31.442
  Top Layer w0.5: CN3.12@-58.42,-12.7 CN5.2@-53.34,-12.7 -52.121,-12.7 v1(-50.673,-11.252) ; v1@-45.72,-1.27 CN1.4@-44.485,-1.27
  Bottom Layer w0.254: v1(-31.318,-16.612) -31.318,-15.672 -30.886,-15.24 -28.702,-15.24 -28.397,-15.545 v1(-28.397,-16.993) -28.397,-18.745 -29.159,-19.507 -29.159,-20.244 -28.372,-21.031 v1(-28.372,-21.387) -28.372,-23.368 -29.134,-24.13 -30.219,-24.13 -30.96,-24.871 v1(-30.96,-27.051) ; M1.30@-24.858,-38.319 -24.817,-38.278 SB18.2@-22.455,-38.278
  Bottom Layer w0.4: -27.989,-31.445 v1(-27.989,-27.122) ; -27.864,-31.445 v1(-27.178,-31.445)
  Bottom Layer w0.5: v1(-50.673,-11.252) -50.698,-11.252 -50.051,-11.9 -41.427,-11.9 ; SW1.2@-47.35,-46.509 -47.35,-46.05 -45.566,-44.266 JP2.1@-45.566,-43.075 ; v1(-45.745,-1.245) -42.469,-1.245 -41.389,-2.324 -41.389,-11.9 -41.389,-12.941 -42.24,-13.792 v1@-42.24,-14.808 ; JP2.1@-45.541,-42.237 -45.541,-40.969 -44.78,-40.208 -44.78,-34.265 -41.834,-31.318 -41.834,-26.949 -42.215,-26.568 -42.215,-23.266 -41.808,-22.86 -41.808,-18.771 -42.215,-18.364 v1(-42.215,-14.808) ; -27.989,-31.445 -27.94,-31.396 -27.94,-31.77 -29.439,-33.269 -29.439,-37.465 -28.584,-38.319 M1.30@-24.858,-38.319
VBAT: CN1.43 CN3.33 CN14.1 | length 37.1
  Top Layer w0.3: -59.05,-39.375 -57.6,-39.375
  Top Layer w0.4: -53.746,-39.345 -52.807,-39.345 -52.299,-38.837 -51.765,-38.837
  Top Layer w0.5: CN3.33@-60.96,-40.64 -59.695,-39.375 -59.05,-39.375 ; -57.6,-39.375 v1@-55.055,-39.375 ; v1(-54.991,-39.345) -53.746,-39.345 ; v1(-54.975,-31.225) -52.575,-31.225 -51.75,-30.4 -51.75,-27.7 -50.72,-26.67 CN1.43@-48.225,-26.67 ; -51.765,-38.837 -50.328,-38.837 -49.429,-37.938 CN14.1@-43.186,-37.938
  Bottom Layer w0.5: v1@-54.975,-39.295 v1(-54.975,-31.225)
VCP1_RX: R20.1 SB5.2 U6.13 | length 27.4
  Top Layer w0.2: v1(-40.589,-14.402) -39.98,-15.011 -34.62,-15.011 -34.188,-14.58 -31.547,-14.58 -31.217,-14.91 v1(-27.737,-14.91) ; U6.13@-30.59,-19.041 -27.507,-19.041 -27.432,-19.117 -27.432,-19.38 -27.356,-19.304 v1(-27.356,-19.101) ; -27.969,-19.019 R20.1@-27.969,-18.428
  Bottom Layer w0.2: SB5.2@-40.979,-18.991 -40.979,-18.838 -41.611,-18.206 -41.611,-15.423 v1(-40.589,-14.402) ; v1@-27.762,-14.91 v1(-27.737,-14.91) -27.737,-14.935 -27.356,-15.316 v1(-27.356,-19.101)
VCP1_TX: R19.1 SB3.2 U6.14 | length 15.9
  Top Layer w0.2: U6.14@-30.59,-18.541 -29.845,-18.541 ; R19.1@-29.021,-18.541 -29.845,-18.541 ; v1(-23.038,-16.358) -28.854,-16.358 -29.845,-17.348 -29.845,-18.541
  Bottom Layer w0.2: v1(-23.038,-16.358) -22.581,-16.815 -22.581,-19.939 -21.98,-20.539 SB3.2@-21.98,-21.825
VCP2_RX: R21.1 SB7.2 U6.12 | length 9.9
  Top Layer w0.2: U6.12@-30.59,-19.541 -29.811,-19.541 -29.667,-19.685 -28.104,-19.685 -27.793,-19.997 R21.1@-27.793,-20.332 -26.378,-20.332 -24.562,-18.517 -24.562,-17.704 v1(-24.562,-17.221)
  Bottom Layer w0.2: v1(-24.562,-17.221) -23.733,-18.05 SB7.2@-23.733,-18.204
VCP2_TX: R22.1 SB8.2 U6.11 | length 14
  Top Layer w0.2: U6.11@-30.59,-20.041 -29.947,-20.041 -29.947,-20.357 ; R22.1@-29.015,-20.357 -29.947,-20.357 ; v1(-21.971,-24.74) -28.194,-24.74 -28.626,-24.308 -29.693,-23.241 -29.693,-20.98 -29.947,-20.726 -29.947,-20.357
  Bottom Layer w0.2: v1(-21.971,-24.74) -21.92,-24.74 -21.675,-24.985 SB8.2@-21.675,-25.379
VDD: C2.2 C3.2 C4.2 C5.2 C6.2 C7.2 C8.2 C9.2 C10.2 C11.2 CN1.2 CN1.11 CN1.18 CN1.30 CN1.32 CN1.48 CN1.50 CN2.1 CN2.3 CN2.17 CN2.31 CN2.33 CN2.47 CN2.49 CN3.5 JP2.2 SB1.1 | length 192.7
  Top Layer w0.3: -46.38,-15.57 -46.38,-14.63
  Top Layer w0.5: v1(-49.454,-6.35) CN1.11@-48.225,-6.35 ; -46.38,-15.57 -46.38,-16.815 -45.415,-17.78 CN1.30@-44.485,-17.78 v1(-43.256,-17.78) v1(-43.256,-19.05) CN1.32@-44.485,-19.05 ; -46.38,-14.63 -46.685,-14.326 -46.685,-13.208 -45.822,-12.344 -45.822,-10.566 -45.415,-10.16 CN1.18@-44.485,-10.16 -43.409,-10.16 -42.494,-9.246 v1(-40.437,-9.246) ; C3.2@-45.185,-33.303 C3.2@-45.064,-33.182 ; CN1.48@-44.485,-29.21 v1(-43.155,-29.21) -43.129,-29.235 v1(-43.129,-30.455) -44.459,-30.455 CN1.50@-44.485,-30.48 -44.22,-30.744 -44.22,-31.856 -44.269,-31.904 C8.2@-45.064,-31.904 C3.2@-45.064,-33.182 ; v1(-43.358,0) v1(-40.437,0) -40.464,0.027 C7.2@-40.464,0.818 ; v1(-42.266,-33.477) -42.72,-33.023 -44.906,-33.023 C3.2@-45.064,-33.182 ; -17.272,-19.05 -15.435,-19.05 ; -16.256,-0.025 -16.207,0.023 C9.2@-16.207,0.818 ; v1(-15.875,-2.108) -15.875,-1.549 -15.596,-1.27 ; -15.57,0 -15.596,-0.025 -15.596,-1.27 ; C6.2@-13.999,-32.622 -14.26,-32.36 -15.596,-32.36 -15.596,-30.455 ; CN2.49@-13.935,-30.48 -13.96,-30.455 -15.596,-30.455 ; CN2.47@-13.935,-29.21 -15.545,-29.21 -15.596,-29.261 ; CN2.33@-13.935,-20.32 -15.455,-20.32 ; CN2.31@-13.935,-19.05 -15.435,-19.05 ; CN2.3@-13.935,-1.27 -15.596,-1.27 ; -15.596,-30.455 -15.596,-29.261 ; -15.596,-29.261 -15.596,-25.629 -16.37,-24.855 -16.37,-21.373 -15.455,-20.459 -15.455,-20.32 ; -15.455,-20.32 -15.455,-19.07 -15.435,-19.05
  Top Layer w0.6: v1(-40.437,0) -39.395,0 -37.567,1.829 -21.539,1.829 -19.685,-0.025 -16.256,-0.025 -15.596,-0.025 ; v1(-19.71,-18.085) -17.755,-18.085 -17.272,-18.567 -17.272,-19.05 -17.272,-20.373 C5.2@-17.357,-20.457 ; -15.596,-1.27 -20.447,-1.27 -21.793,-2.616 v1(-21.793,-8.89) -16.815,-8.89 -15.545,-10.16 CN2.17@-13.935,-10.16 ; -15.57,0 CN2.1@-13.935,0
  Bottom Layer w0.254: -59.075,-3.81 -57.5,-3.81
  Bottom Layer w0.5: CN3.5@-60.96,-5.08 -60.935,-5.08 -59.665,-3.81 -59.075,-3.81 ; -57.5,-3.81 -56.388,-3.81 -55.575,-2.997 -54.229,-2.997 -53.321,-2.089 -53.321,2.279 -52.3,3.3 -45.464,3.3 -43.358,1.194 v1(-43.358,0) ; v1(-49.454,-6.35) -49.098,-6.706 -45.593,-6.706 -43.104,-9.195 v1(-42.469,-9.195) ; v1(-43.256,-19.05) -42.52,-19.787 -42.52,-22.022 -43.104,-22.606 -43.104,-26.746 -42.52,-27.33 -42.52,-28.575 v1(-43.155,-29.21) ; JP2.2@-43.001,-42.237 -43.001,-40.994 -41.668,-39.661 -41.423,-39.661 -41.377,-39.615 -41.377,-35.154 -42.215,-34.315 -42.215,-33.528 v1(-42.266,-33.477) ; v1(-40.437,-9.246) v1(-40.437,0) ; SB1.1@-15.878,-3.242 -15.878,-2.111 v1(-15.875,-2.108)
  Bottom Layer w0.6: v1(-21.793,-8.89) -19.71,-10.973 v1(-19.71,-18.085) v1@-19.634,-18.161
VDDA: C1.2 CN1.20 CN2.19 CN4.7 CN6.8 CN11.1 SB1.2 | length 61.6
  Top Layer w0.6: CN1.20@-44.485,-11.43 -43.434,-11.43 -42.926,-11.938 -40.919,-11.938 -40.284,-12.573 -31.826,-12.573 -31.344,-13.056 -18.517,-13.056 -17.912,-12.451 v1(-17.912,-11.425) -17.907,-11.43 CN2.19@-13.935,-11.43 ; C1.2@-20.387,-6.158 -18.078,-6.158 CN11.1@-18.013,-6.093 ; CN6.8@-5.08,-6.096 -2.504,-6.096 -0.98,-7.62 CN4.7@0,-7.62
  Bottom Layer w0.6: CN11.1@-18.015,-6.096 CN11.1@-18.013,-6.093 CN11.1@-18.01,-6.096 ; v1(-17.912,-11.425) -17.912,-6.194 CN11.1@-18.01,-6.096 ; SB1.2@-15.878,-4.217 -15.878,-6.017 -14.942,-5.08 -6.096,-5.08 CN6.8@-5.08,-6.096 ; -15.799,-6.096 CN11.1@-18.01,-6.096
Vext: CN10.1 SB20.1 SB21.1 SB22.1 | length 45.3
  Top Layer w0.6: v1(-51.613,-47.854) -51.638,-47.879 -51.638,-46.558 -50.292,-45.212 v1(-50.292,-43.84)
  Bottom Layer w0.6: v1(-51.613,-47.854) -50.927,-48.539 -49.708,-48.539 -48.793,-49.454 -44.171,-49.454 -43.256,-48.539 -41.885,-48.539 -38.811,-45.466 -23.724,-45.466 -23.724,-45.542 ; v1(-50.292,-43.84) -50.272,-43.861 SB20.1@-48.943,-43.861 ; SB20.1@-48.921,-43.84 SB22.1@-47.724,-43.84 ; CN10.1@-21.949,-48.805 -23.458,-48.805 -23.724,-48.539 -23.724,-45.542 ; SB21.1@-21.339,-44.06 -22.241,-44.06 -23.724,-45.542
VIN: C16.1 C18.2 CN3.24 CN5.8 SB20.2 U3.3 | length 94.9
  Top Layer w0.5: CN3.24@-58.42,-27.94 CN5.8@-53.34,-27.94 ; v1(-42.469,-6.807) -41.808,-7.468 v1(-38.583,-7.468) v1@-38.557,-7.468
  Bottom Layer w0.5: CN3.24@-58.42,-27.94 -56.642,-27.94 ; SB20.2@-48.943,-44.836 -50.449,-44.836 -51.333,-45.72 -51.333,-46.279 -52.197,-47.142 -54.94,-47.142 -56.769,-45.314 -56.769,-28.067 -56.642,-27.94 ; v1(-42.469,-6.807) -43.536,-5.74 -46.787,-5.74 -47.041,-5.486 -50.902,-5.486 -51.543,-4.845 -54.4,-4.845 -56.032,-6.477 -56.032,-27.33 -56.642,-27.94 ; v1(-38.583,-7.468) -37.363,-6.248 -37.363,-2.057 -35.857,-0.551 C18.2@-29.046,-0.551
  Bottom Layer w0.6: U3.3@-28.671,-3.757 -28.671,-0.551 ; -28.671,-0.546 C16.1@-26.896,-0.546
pads on no net: ?.1 B1.5 B2.5 B3.5 B4.5 CN5.1 CN9.A2 CN9.A3 CN9.A8 CN9.A10 CN9.A11 CN9.B2 CN9.B3 CN9.B8 CN9.B10 CN9.B11 M1.2 M1.3 M1.7 M1.9 M1.10 M1.14 M1.16 M1.17 M1.18 M1.19 M1.20 M1.21 M1.23 M1.25 SW1.NPTH1 SW1.NPTH2 U1.4 U4.3 U4.5
copper on no net:
  other v1: -24.867,-47.219

## Polygon pours and split planes (outlines as drawn)
no net on Top Solder (solid): -61.691,-47.229 -60.218,-47.229 -60.218,-48.372 -61.691,-48.372
no net on Bottom Solder (solid): -61.688,-47.234 -60.215,-47.234 -60.215,-48.377 -61.688,-48.377
GND on Top Layer "GND_L01_P002" (solid, remove dead copper, pour order 2): -65.1,7.747 6.883,7.747 6.883,-51.791 -65.1,-51.791
GND on Bottom Layer "GND_L02_P004" (solid, remove dead copper, pour order 4): -65.507,7.468 6.604,7.468 6.604,-52.07 -65.507,-52.07

## Keep-outs
Top Layer:
  lines w0.01: -61.646,-48.336 -61.646,-47.269 -60.249,-47.269 -60.249,-48.336 -61.646,-48.336
Bottom Layer:
  lines w0.01: -61.646,-48.336 -61.646,-47.269 -60.249,-47.269 -60.249,-48.336 -61.646,-48.336
Keep-Out Layer:
  lines w0.1: 3.781,-48.75 ccw(c3.794,-46.744) 5.8,-46.757 ; 3.794,-48.75 -5.15,-48.75 -7.15,-50.75 -50.775,-50.75 -52.775,-48.75 -62.2,-48.75 cw(c-62.263,-46.812) -64.2,-46.875 -64.2,4.075 -62,6.275 3.65,6.275 5.8,4.125 5.8,-46.744

## Other copper
Top Layer:
  text "1" at -61.519,-48.158 h1.2
Bottom Layer:
  text "2" at -60.425,-48.158 h1.2

## Silkscreen, mask and mechanical layers (free items; w line width, h text height)
Top Overlay:
  lines w0.1: -50.21,6.325 -50.21,-34.24 -39.599,-34.24 ; -33.655,-34.239 -23.012,-34.239 ; -20.193,-34.239 -15.011,-34.239 ; -13.004,-34.24 -8.21,-34.24 -8.21,6.325
  text "L" at -50.435,-39.139 h7.62
  text "MB1801A" at -6.621,-43.518 h2.5 r90
Bottom Overlay:
  text "L" at -7.065,0.704 h7.62
  text "I" at -45.692,-13.771 h7.62
  text "C" at -44.646,-20.308 h7.62
  text "H" at -45.614,-26.001 h7.62
M1-Board Shape:
  lines w0.1: -62.21,-48.768 cw(c-62.21,-46.768) -64.21,-46.768 -64.21,1.271 -64.21,4.048 -62.001,6.257 3.658,6.257 5.79,4.125 5.79,2.211 5.79,-46.743 cw(c3.79,-46.743) 3.79,-48.743 -5.131,-48.743 -7.131,-50.743 -50.786,-50.743 -52.761,-48.768 ; -62.21,-48.76 -52.789,-48.76
M3-Top Dimensions:
  lines w0.1: -60.96,0 9.144,0 ; -29.21,-37.998 -29.21,7.569
Drill Drawing:
  drawing of 187 lines, arcs and shapes, not listed
  text "Symbol" at -179.284,46.894 h2.16
  text "Count" at -170.822,46.894 h2.16
  text "Hole Size" at -162.037,46.894 h2.16
  text "Plated" at -146.487,46.894 h2.16
  text "Hole Type" at -139.059,46.894 h2.16
  text "Drill Layer Pair" at -128.244,46.894 h2.16
  text "Via/Pad" at -107.745,46.894 h2.16
  text "Pad Shape" at -98.884,46.894 h2.16
  text "Template" at -87.308,46.894 h2.16
  text "Description" at -61.31,46.894 h2.16
  text "Hole Tolerance (+)" at -49.684,46.894 h2.16
  text "Hole Tolerance (-)" at -31.605,46.894 h2.16
  text "Hole Length" at -14.012,46.894 h2.16
  text "Routed Path Length" at 1.558,46.894 h2.16
  text "2" at -170.822,43.166 h1.8
  text "0,60mm (23,62mil)" at -162.037,43.166 h1.8
  text "PTH" at -146.487,43.166 h1.8
  text "Slot" at -139.059,43.166 h1.8
  text "Top Layer - Bottom Layer" at -128.244,43.166 h1.8
  text "Pad" at -107.745,43.166 h1.8
  text "Rounded" at -98.884,43.166 h1.8
  text "r210_110h60_160r100m215_115" at -87.308,43.166 h1.8
  text "1,60mm (62,99mil)" at -14.012,43.166 h1.8
  text "1,00mm (39,37mil)" at 1.558,43.166 h1.8
  text "2" at -170.822,39.438 h1.8
  text "0,60mm (23,62mil)" at -162.037,39.438 h1.8
  text "PTH" at -146.487,39.438 h1.8
  text "Slot" at -139.059,39.438 h1.8
  text "Top Layer - Bottom Layer" at -128.244,39.438 h1.8
  text "Pad" at -107.745,39.438 h1.8
  text "Rounded" at -98.884,39.438 h1.8
  text "r260_110h60_210r100m265_115" at -87.308,39.438 h1.8
  text "2,10mm (82,68mil)" at -14.012,39.438 h1.8
  text "1,50mm (59,06mil)" at 1.558,39.438 h1.8
  text "2" at -170.822,35.71 h1.8
  text "0,90mm (35,43mil)" at -162.037,35.71 h1.8
  text "NPTH" at -146.487,35.71 h1.8
  text "Round" at -139.059,35.71 h1.8
  text "Top Layer - Bottom Layer" at -128.244,35.71 h1.8
  text "Pad" at -107.745,35.71 h1.8
  text "Rounded" at -98.884,35.71 h1.8
  text "c0hn90m95" at -87.308,35.71 h1.8
  text "-" at -14.012,35.71 h1.8
  text "-" at 1.558,35.71 h1.8
  text "32" at -170.822,31.982 h1.8
  text "1,10mm (43,31mil)" at -162.037,31.982 h1.8
  text "PTH" at -146.487,31.982 h1.8
  text "Round" at -139.059,31.982 h1.8
  text "Top Layer - Bottom Layer" at -128.244,31.982 h1.8
  text "Pad" at -107.745,31.982 h1.8
  text "Rounded" at -98.884,31.982 h1.8
  text "(Mixed)" at -87.308,31.982 h1.8
  text "-" at -14.012,31.982 h1.8
  text "-" at 1.558,31.982 h1.8
  text "88" at -170.822,28.253 h1.8
  text "1,00mm (39,37mil)" at -162.037,28.253 h1.8
  text "PTH" at -146.487,28.253 h1.8
  text "Round" at -139.059,28.253 h1.8
  text "Top Layer - Bottom Layer" at -128.244,28.253 h1.8
  text "Pad" at -107.745,28.253 h1.8
  text "Rounded" at -98.884,28.253 h1.8
  text "(Mixed)" at -87.308,28.253 h1.8
  text "-" at -14.012,28.253 h1.8
  text "-" at 1.558,28.253 h1.8
  text "485" at -170.822,24.525 h1.8
  text "0,30mm (11,81mil)" at -162.037,24.525 h1.8
  text "PTH" at -146.487,24.525 h1.8
  text "Round" at -139.059,24.525 h1.8
  text "Top Layer - Bottom Layer" at -128.244,24.525 h1.8
  text "Via" at -107.745,24.525 h1.8
  text "Rounded" at -98.884,24.525 h1.8
  text "v80h30m0mx0" at -87.308,24.525 h1.8
  text "-" at -14.012,24.525 h1.8
  text "-" at 1.558,24.525 h1.8
  text "611 Total" at -170.822,20.797 h1.8
  text "Slot definitions :" at -179.284,18.187 h1.8
  text "Routed Path Length" at -166.999,18.187 h1.8
  text "= Calculated from tool start centre position to tool end centre position." at -151.779,18.187 h1.8
  text "Hole Length" at -166.999,16.696 h1.8
  text "= Routed Path Length + Tool Size = Slot length as defined in the PCB layout" at -157.429,16.696 h1.8
  text "Layer" at -178.067,1.791 h1.52
  text "Name" at -171.689,1.791 h1.52
  text "Material" at -159.355,1.791 h1.52
  text "Thickness" at -148.272,1.791 h1.52
  text "Constant" at -139.168,1.791 h1.52
  text "Board Layer Stack" at -130.742,1.791 h1.52
  text "Top Overlay" at -171.689,-1.257 h1.52
  text "Top Solder" at -171.689,-4.305 h1.52
  text "Solder Resist" at -159.355,-4.305 h1.52
  text "0,018mm" at -148.272,-4.305 h1.52
  text "4,2" at -139.168,-4.305 h1.52
  text "1" at -178.067,-7.353 h1.52
  text "Top Layer" at -171.689,-7.353 h1.52
  text "Copper" at -159.355,-7.353 h1.52
  text "0,041mm" at -148.272,-7.353 h1.52
  text "Dielectric 1" at -171.689,-10.401 h1.52
  text "FR-4" at -159.355,-10.401 h1.52
  text "1,473mm" at -148.272,-10.401 h1.52
  text "4,4" at -139.168,-10.401 h1.52
  text "2" at -178.068,-13.449 h1.52
  text "Bottom Layer" at -171.689,-13.449 h1.52
  text "Copper" at -159.355,-13.449 h1.52
  text "0,041mm" at -148.272,-13.449 h1.52
  text "Bottom Solder" at -171.689,-16.497 h1.52
  text "Solder Resist" at -159.355,-16.497 h1.52
  text "0,018mm" at -148.272,-16.497 h1.52
  text "4,2" at -139.168,-16.497 h1.52
  text "Bottom Overlay" at -171.689,-19.545 h1.52

## Dimensions
5.79,4.125 to 3.658,6.257 on M2-Board Dimensions
3.79,-48.743 to 3.658,6.257 on M2-Board Dimensions
-7.131,-50.743 to -5.131,-48.743 on M2-Board Dimensions
-52.79,-48.81 to -64.21,-46.768 on M2-Board Dimensions
-50.786,-50.743 to -52.789,-48.76 on M2-Board Dimensions
-7.131,-50.743 to -50.786,-50.743 on M2-Board Dimensions
-5.11,-48.793 to 5.79,-46.743 on M2-Board Dimensions
-7.131,-50.743 to -5.131,-48.743 on M2-Board Dimensions
-7.131,-50.743 to 3.658,6.257 on M2-Board Dimensions
-64.21,-46.768 to 5.79,-46.743 on M2-Board Dimensions
-62.21,-48.76 to -60.96,-45.72 on M3-Top Dimensions
2.54,-45.72 to 5.79,-46.743 on M3-Top Dimensions
-60.96,-45.72 to -64.21,-46.768 on M3-Top Dimensions
-60.96,0 to -53.34,-10.16 on M3-Top Dimensions
-60.96,0 to -46.345,-15.24 on M3-Top Dimensions
-60.96,0 to -46.345,-15.24 on M3-Top Dimensions
-29.21,7.569 to -50.21,-34.24 on M3-Top Dimensions
-50.21,-34.24 to -8.21,-34.24 on M3-Top Dimensions
-46.345,-15.24 to -29.21,7.569 on M3-Top Dimensions
-46.345,-15.24 to -12.055,-15.24 on M3-Top Dimensions
-60.96,0 to -48.225,0 on M3-Top Dimensions
-48.225,0 to -13.935,0 on M3-Top Dimensions
-60.96,0 to -5.08,-1.016 on M3-Top Dimensions
-60.96,0 to -5.08,-27.94 on M3-Top Dimensions
-60.96,0 to -5.08,-1.016 on M3-Top Dimensions
-60.96,0 to -53.34,-33.02 on M3-Top Dimensions
-60.96,0 to -53.34,-10.16 on M3-Top Dimensions
0,0 to -60.96,0 on M3-Top Dimensions

## Text inside footprints (layer, text, board x,y; h text height)
B1: M14-Top Assembly "1" at -46.515,-47.547 h1; M14-Top Assembly "3" at -50.29,-47.547 h1; M14-Top Assembly "2" at -46.715,-49.147 h1; M14-Top Assembly "4" at -50.29,-49.147 h1; Top Overlay "1" at -45.94,-47.247 h1.5
B2: M14-Top Assembly "1" at -40.155,-47.547 h1; M14-Top Assembly "3" at -43.93,-47.547 h1; M14-Top Assembly "2" at -40.355,-49.147 h1; M14-Top Assembly "4" at -43.93,-49.147 h1; Top Overlay "1" at -39.58,-47.247 h1.5
B3: M14-Top Assembly "1" at -34.096,-47.547 h1; M14-Top Assembly "3" at -37.871,-47.547 h1; M14-Top Assembly "2" at -34.296,-49.147 h1; M14-Top Assembly "4" at -37.871,-49.147 h1; Top Overlay "1" at -33.521,-47.247 h1.5
B4: M14-Top Assembly "1" at -26.171,-47.547 h1; M14-Top Assembly "3" at -29.946,-47.547 h1; M14-Top Assembly "2" at -26.371,-49.147 h1; M14-Top Assembly "4" at -29.946,-49.147 h1; Top Overlay "1" at -25.596,-47.247 h1.5
CN1: M14-Top Assembly "1" at -48.755,0.56 h0.75; M14-Top Assembly "2" at -44.455,0.56 h0.75; M14-Top Assembly "49" at -48.755,-31.44 h0.75; M14-Top Assembly "50" at -44.655,-31.44 h0.75
CN2: M14-Top Assembly "1" at -14.465,0.56 h0.75; M14-Top Assembly "2" at -10.165,0.56 h0.75; M14-Top Assembly "49" at -14.465,-31.44 h0.75; M14-Top Assembly "50" at -10.365,-31.44 h0.75
CN3: M14-Top Assembly "37" at -61.44,-45.06 h1.5 r270; M14-Top Assembly "38" at -58.865,-45.06 h1.5 r270; M14-Top Assembly "1" at -61.415,0.265 h1.5 r270; M14-Top Assembly "2" at -58.915,0.365 h1.5 r270
CN4: M14-Top Assembly "37" at -0.48,-45.06 h1.5 r270; M14-Top Assembly "38" at 2.095,-45.06 h1.5 r270; M14-Top Assembly "1" at -0.455,0.265 h1.5 r270; M14-Top Assembly "2" at 2.045,0.365 h1.5 r270
CN5: M14-Top Assembly "8" at -53.84,-27.6 h1.5 r270; M14-Top Assembly "1" at -53.815,-9.97 h1.5 r270; Top Overlay "1" at -53.815,-8.15 h1.5 r270
CN6: M14-Top Assembly "10" at -4.58,-1.746 h1.5 r90; M14-Top Assembly "1" at -4.58,-24.066 h1.5 r90; Top Overlay "1" at -4.605,-25.896 h1.5 r90
CN7: M14-Top Assembly "1" at -53.84,-32.83 h1.5 r270; M14-Top Assembly "6" at -53.865,-45.395 h1.5 r270; Top Overlay "1" at -53.815,-30.995 h1.5 r270
CN8: M14-Top Assembly "8" at -4.58,-28.28 h1.5 r90; M14-Top Assembly "1" at -4.605,-45.91 h1.5 r90; Top Overlay "1" at -4.605,-47.73 h1.5 r90
CN9: M15-Bottom Assembly "B12" at -10.692,-44.817 h0.75; M15-Bottom Assembly "B1" at -17.092,-44.792 h0.75; M15-Bottom Assembly "A1" at -11.117,-43.292 h0.75; M15-Bottom Assembly "A12" at -16.842,-43.317 h0.75; Bottom Overlay "B1" at -17.866,-45.373 h0.5; Bottom Overlay "A12" at -17.755,-42.47 h0.5; Bottom Overlay "A1" at -10.736,-42.318 h0.5; Bottom Overlay "B12" at -10.875,-45.27 h0.5; M8-Bottom Info "PCB" at -5.892,-51.347 h1; M8-Bottom Info "EDGE" at -20.467,-51.347 h1
CN10: M14-Top Assembly "1" at -21.424,-49.06 h1.5 r90; Top Overlay "1" at -21.499,-50.61 h1.5 r90
CN11: M15-Bottom Assembly "1" at -18.538,-6.348 h1.5 r270; Bottom Overlay "1" at -18.463,-7.898 h1.5 r270